# Altium PCB MiniPC.PcbDoc (part 1 of 22) (continued)
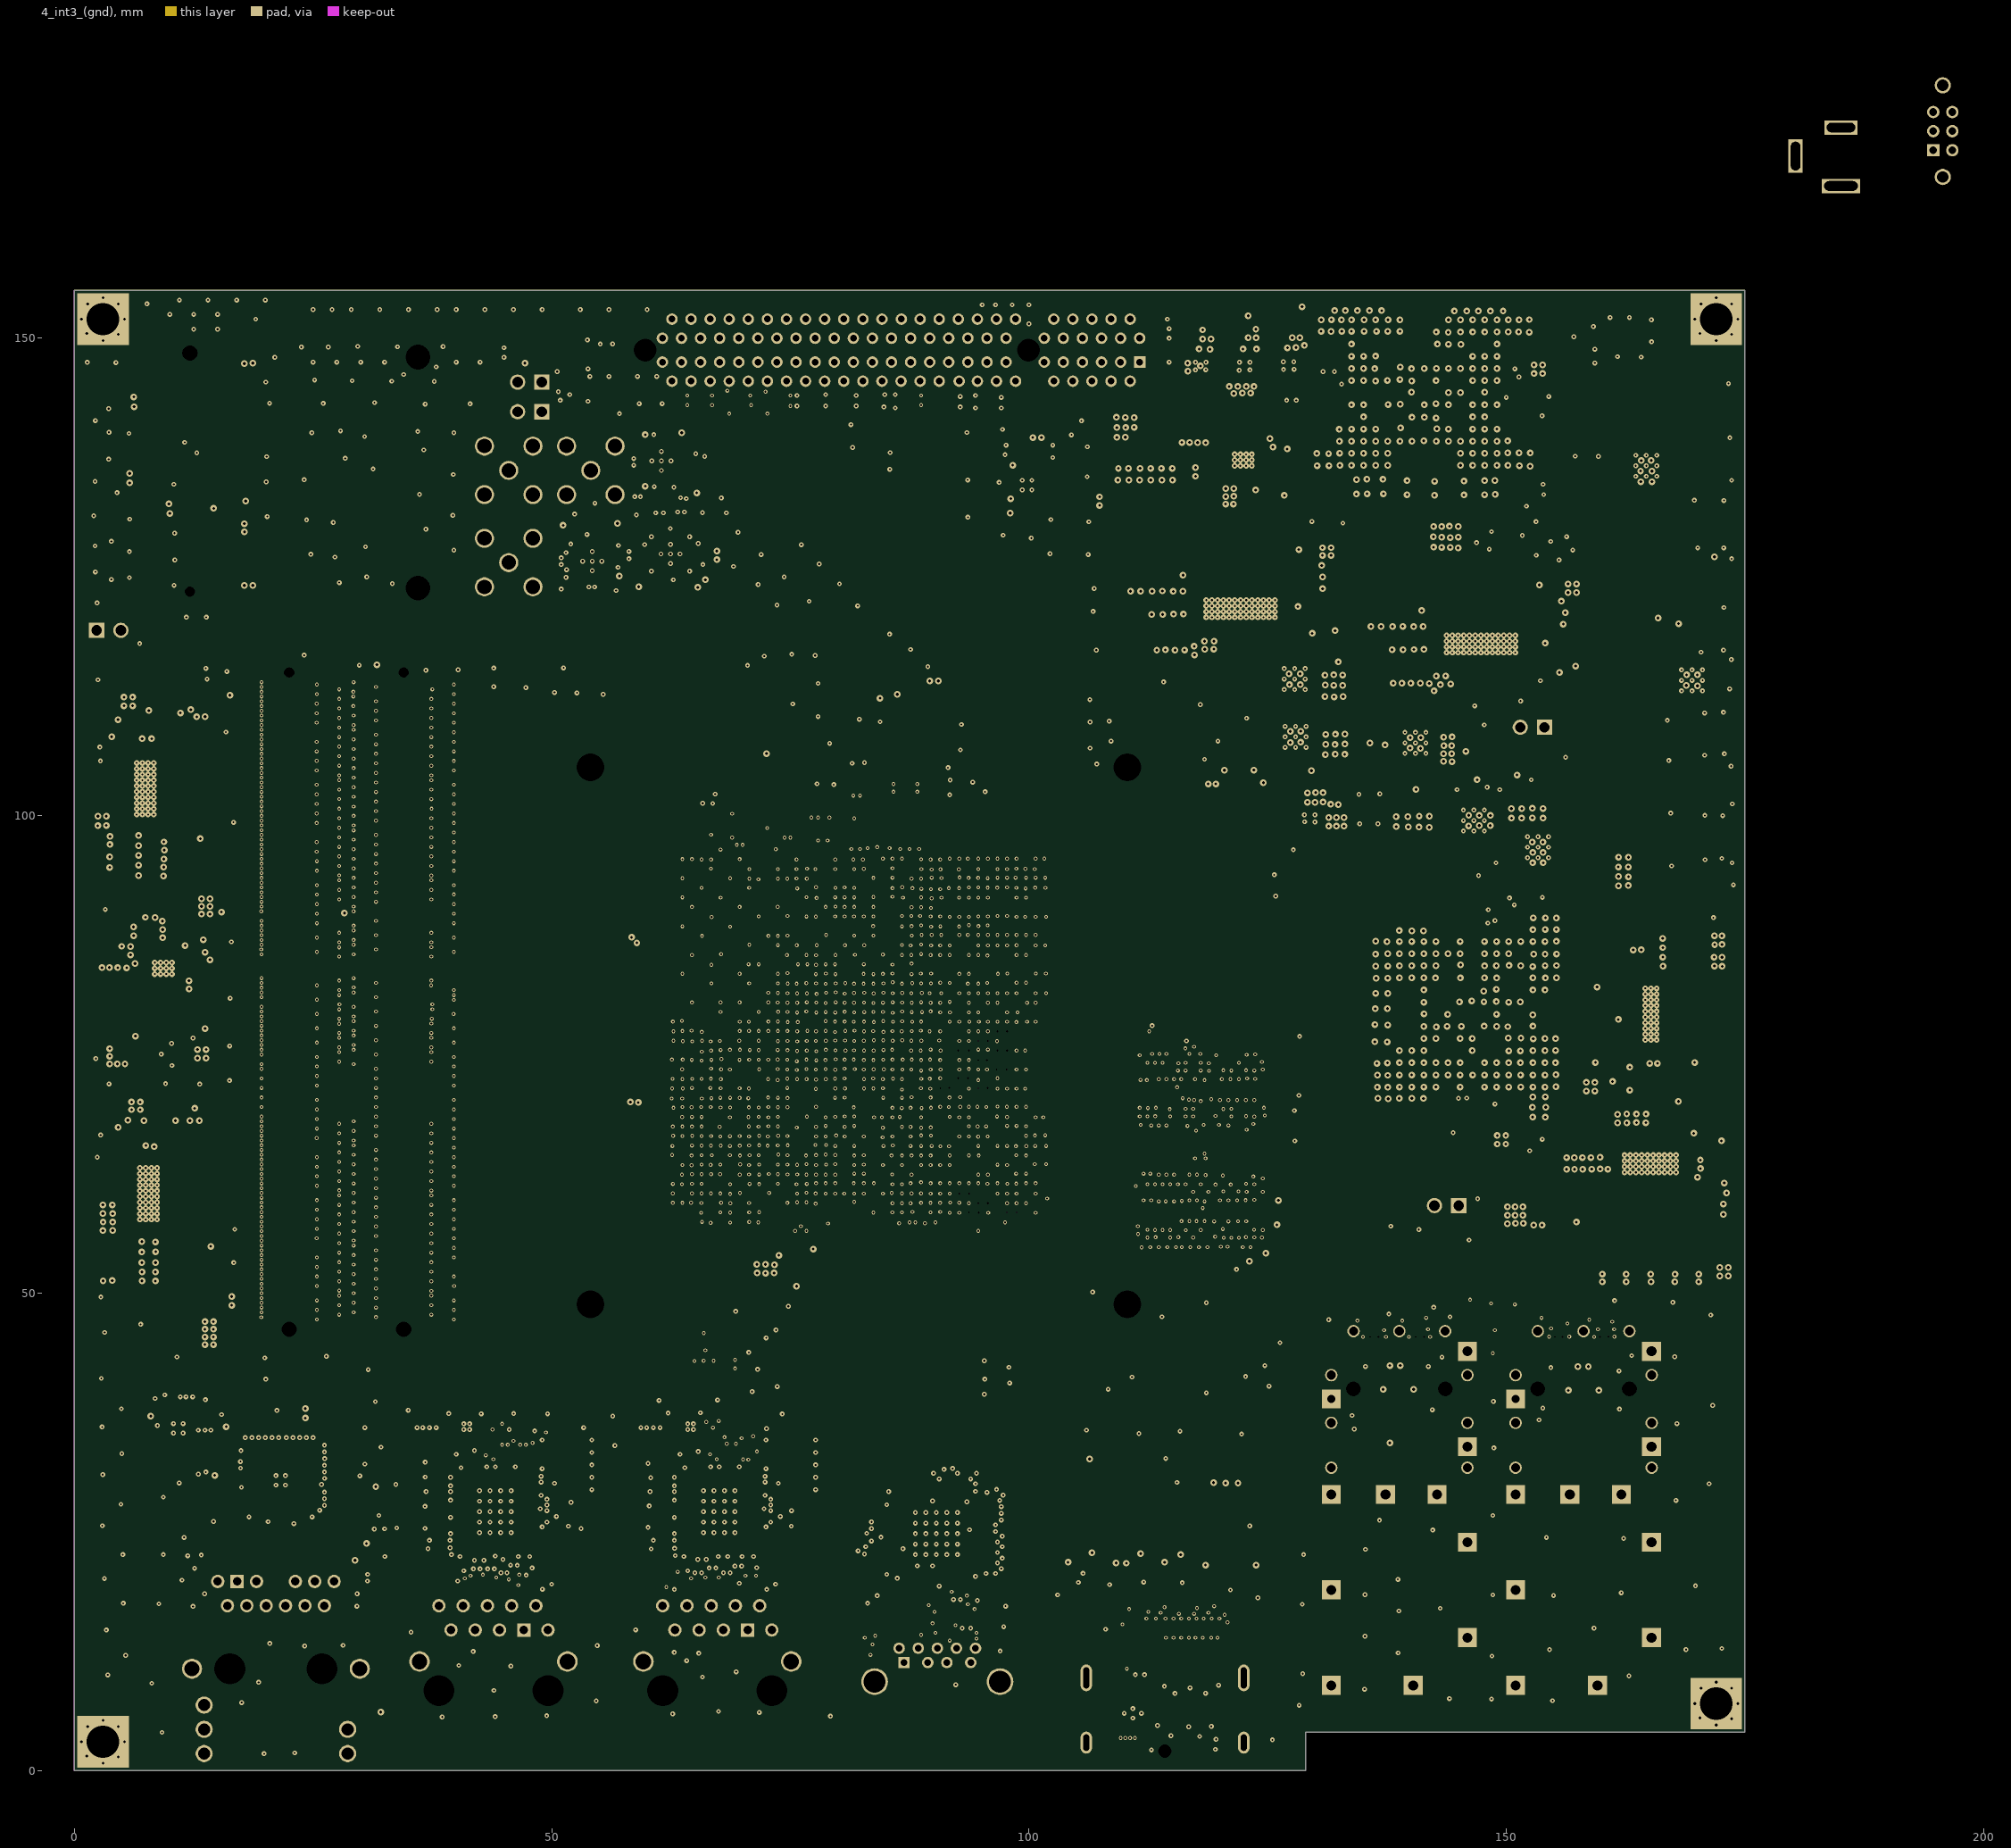
[diagram p4: 4_int3_(gnd)]
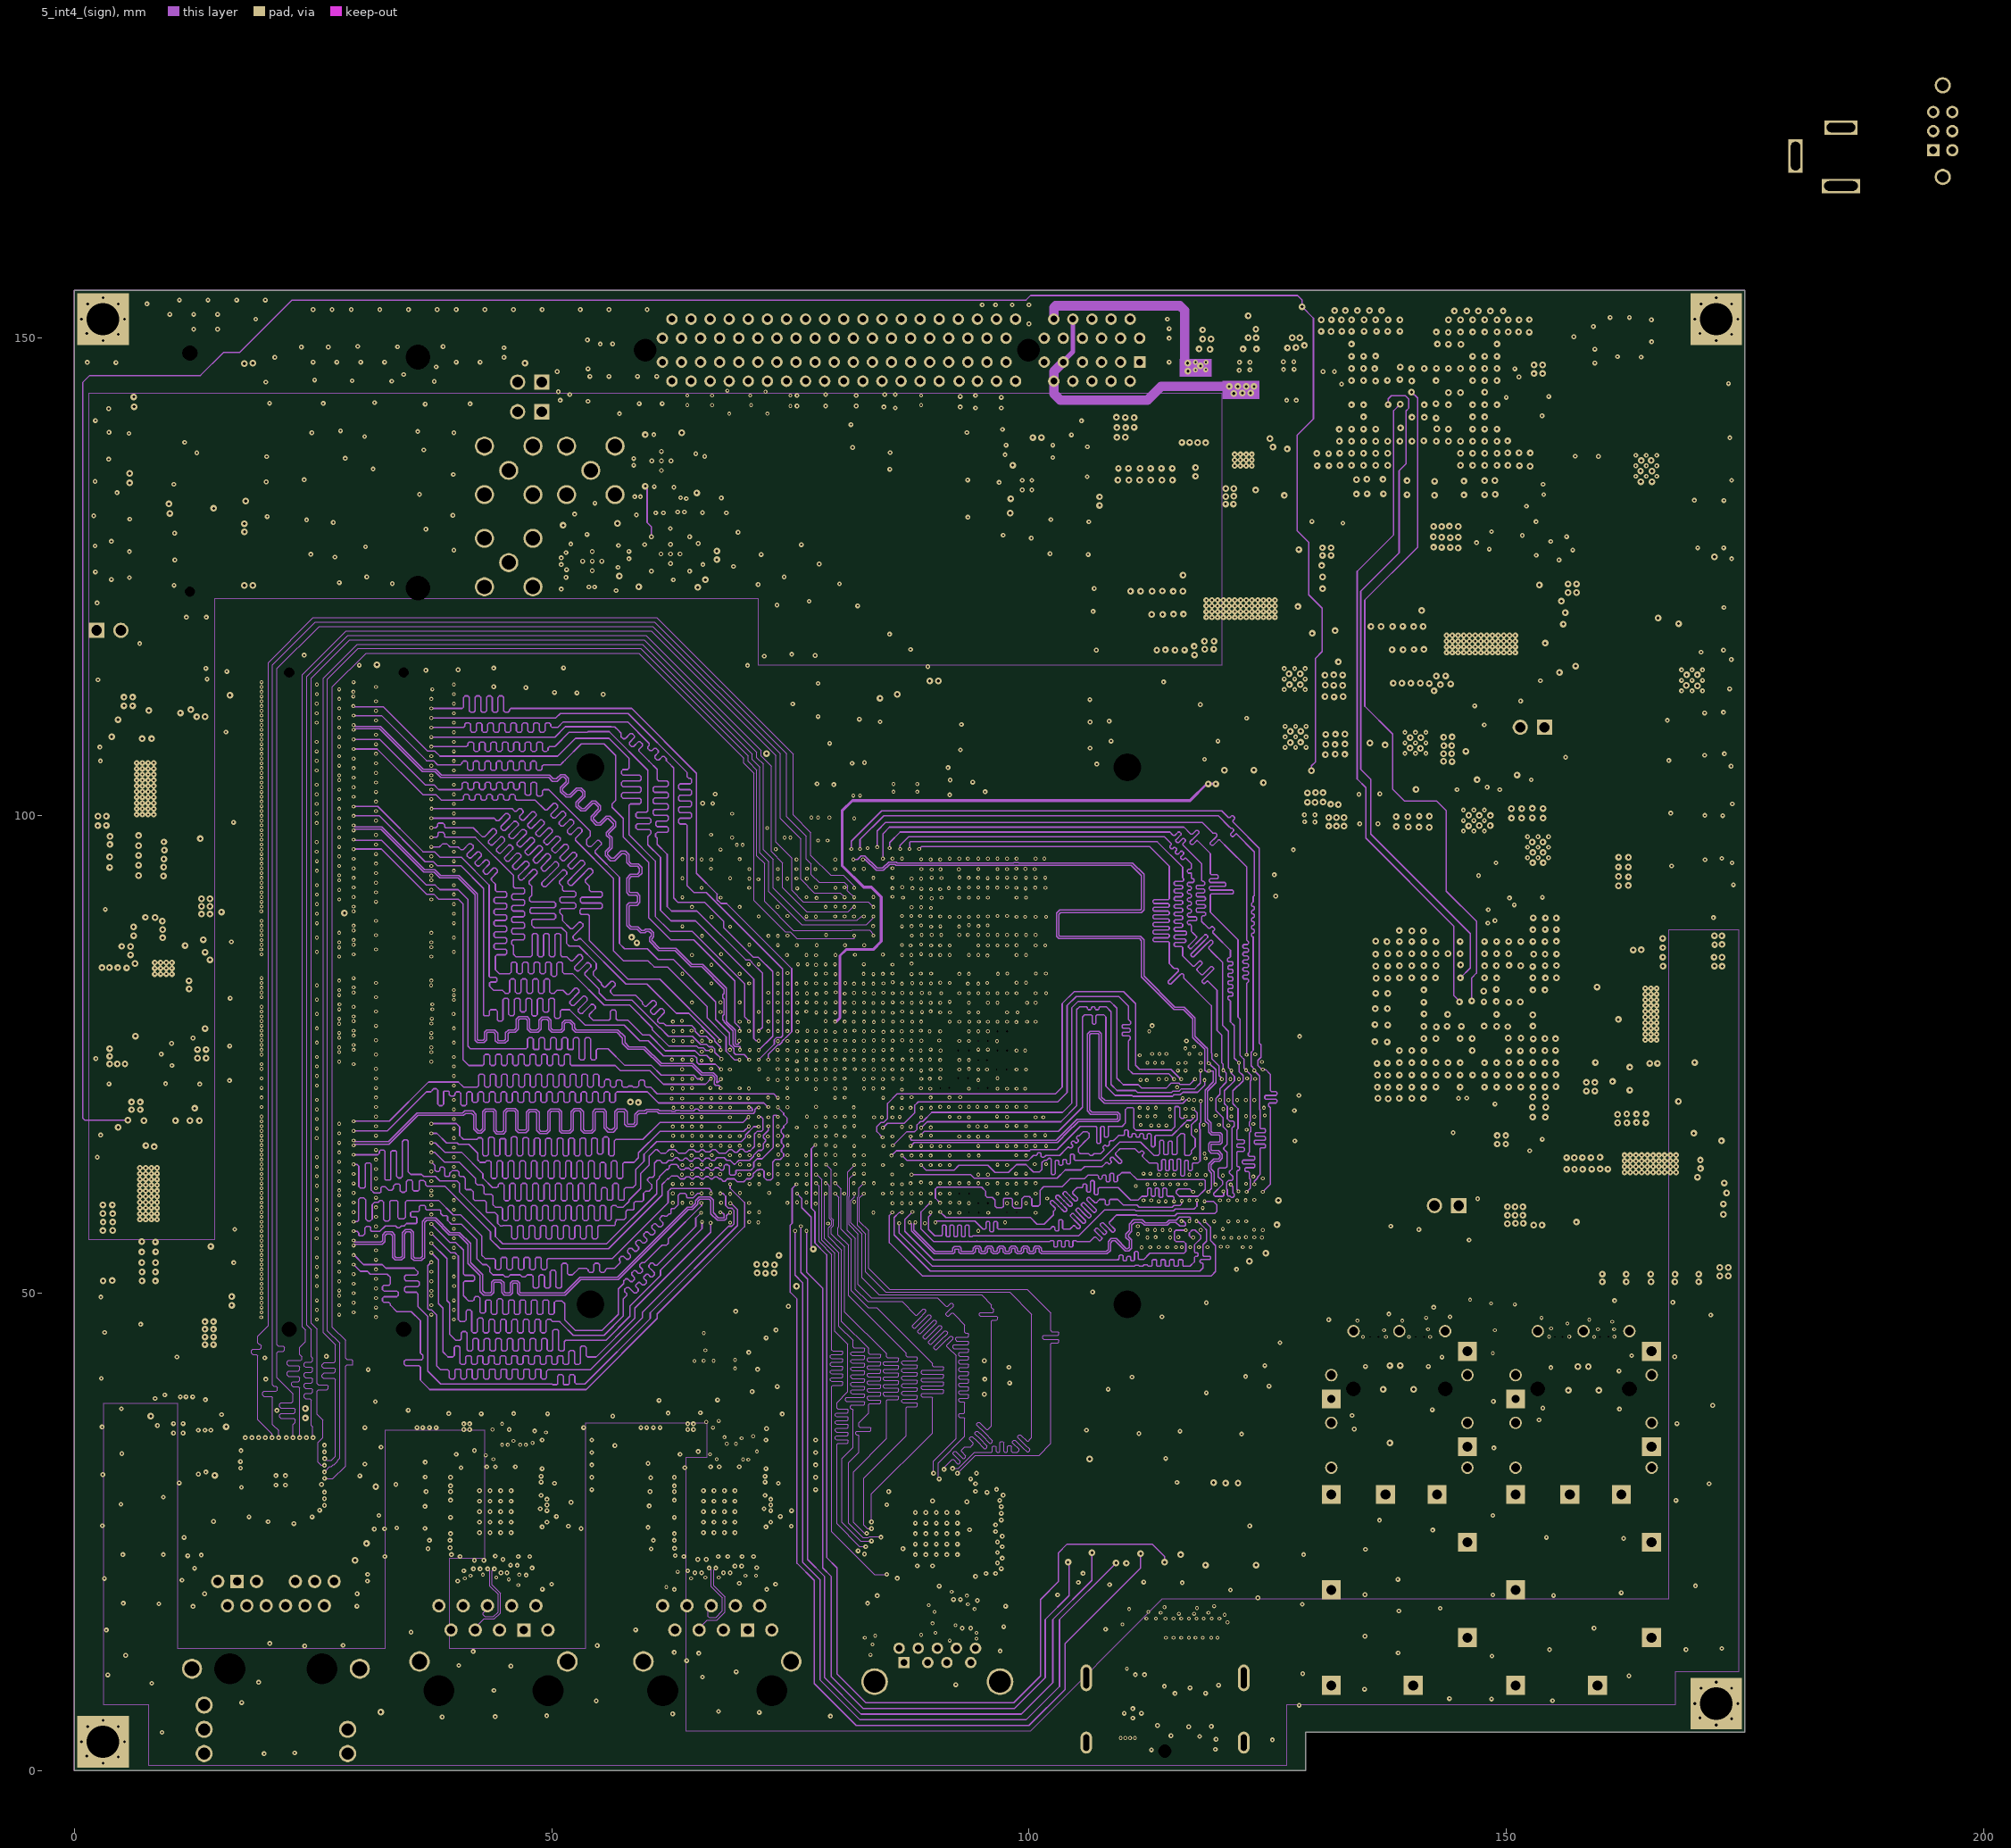
[diagram p5: 5_int4_(sign)]
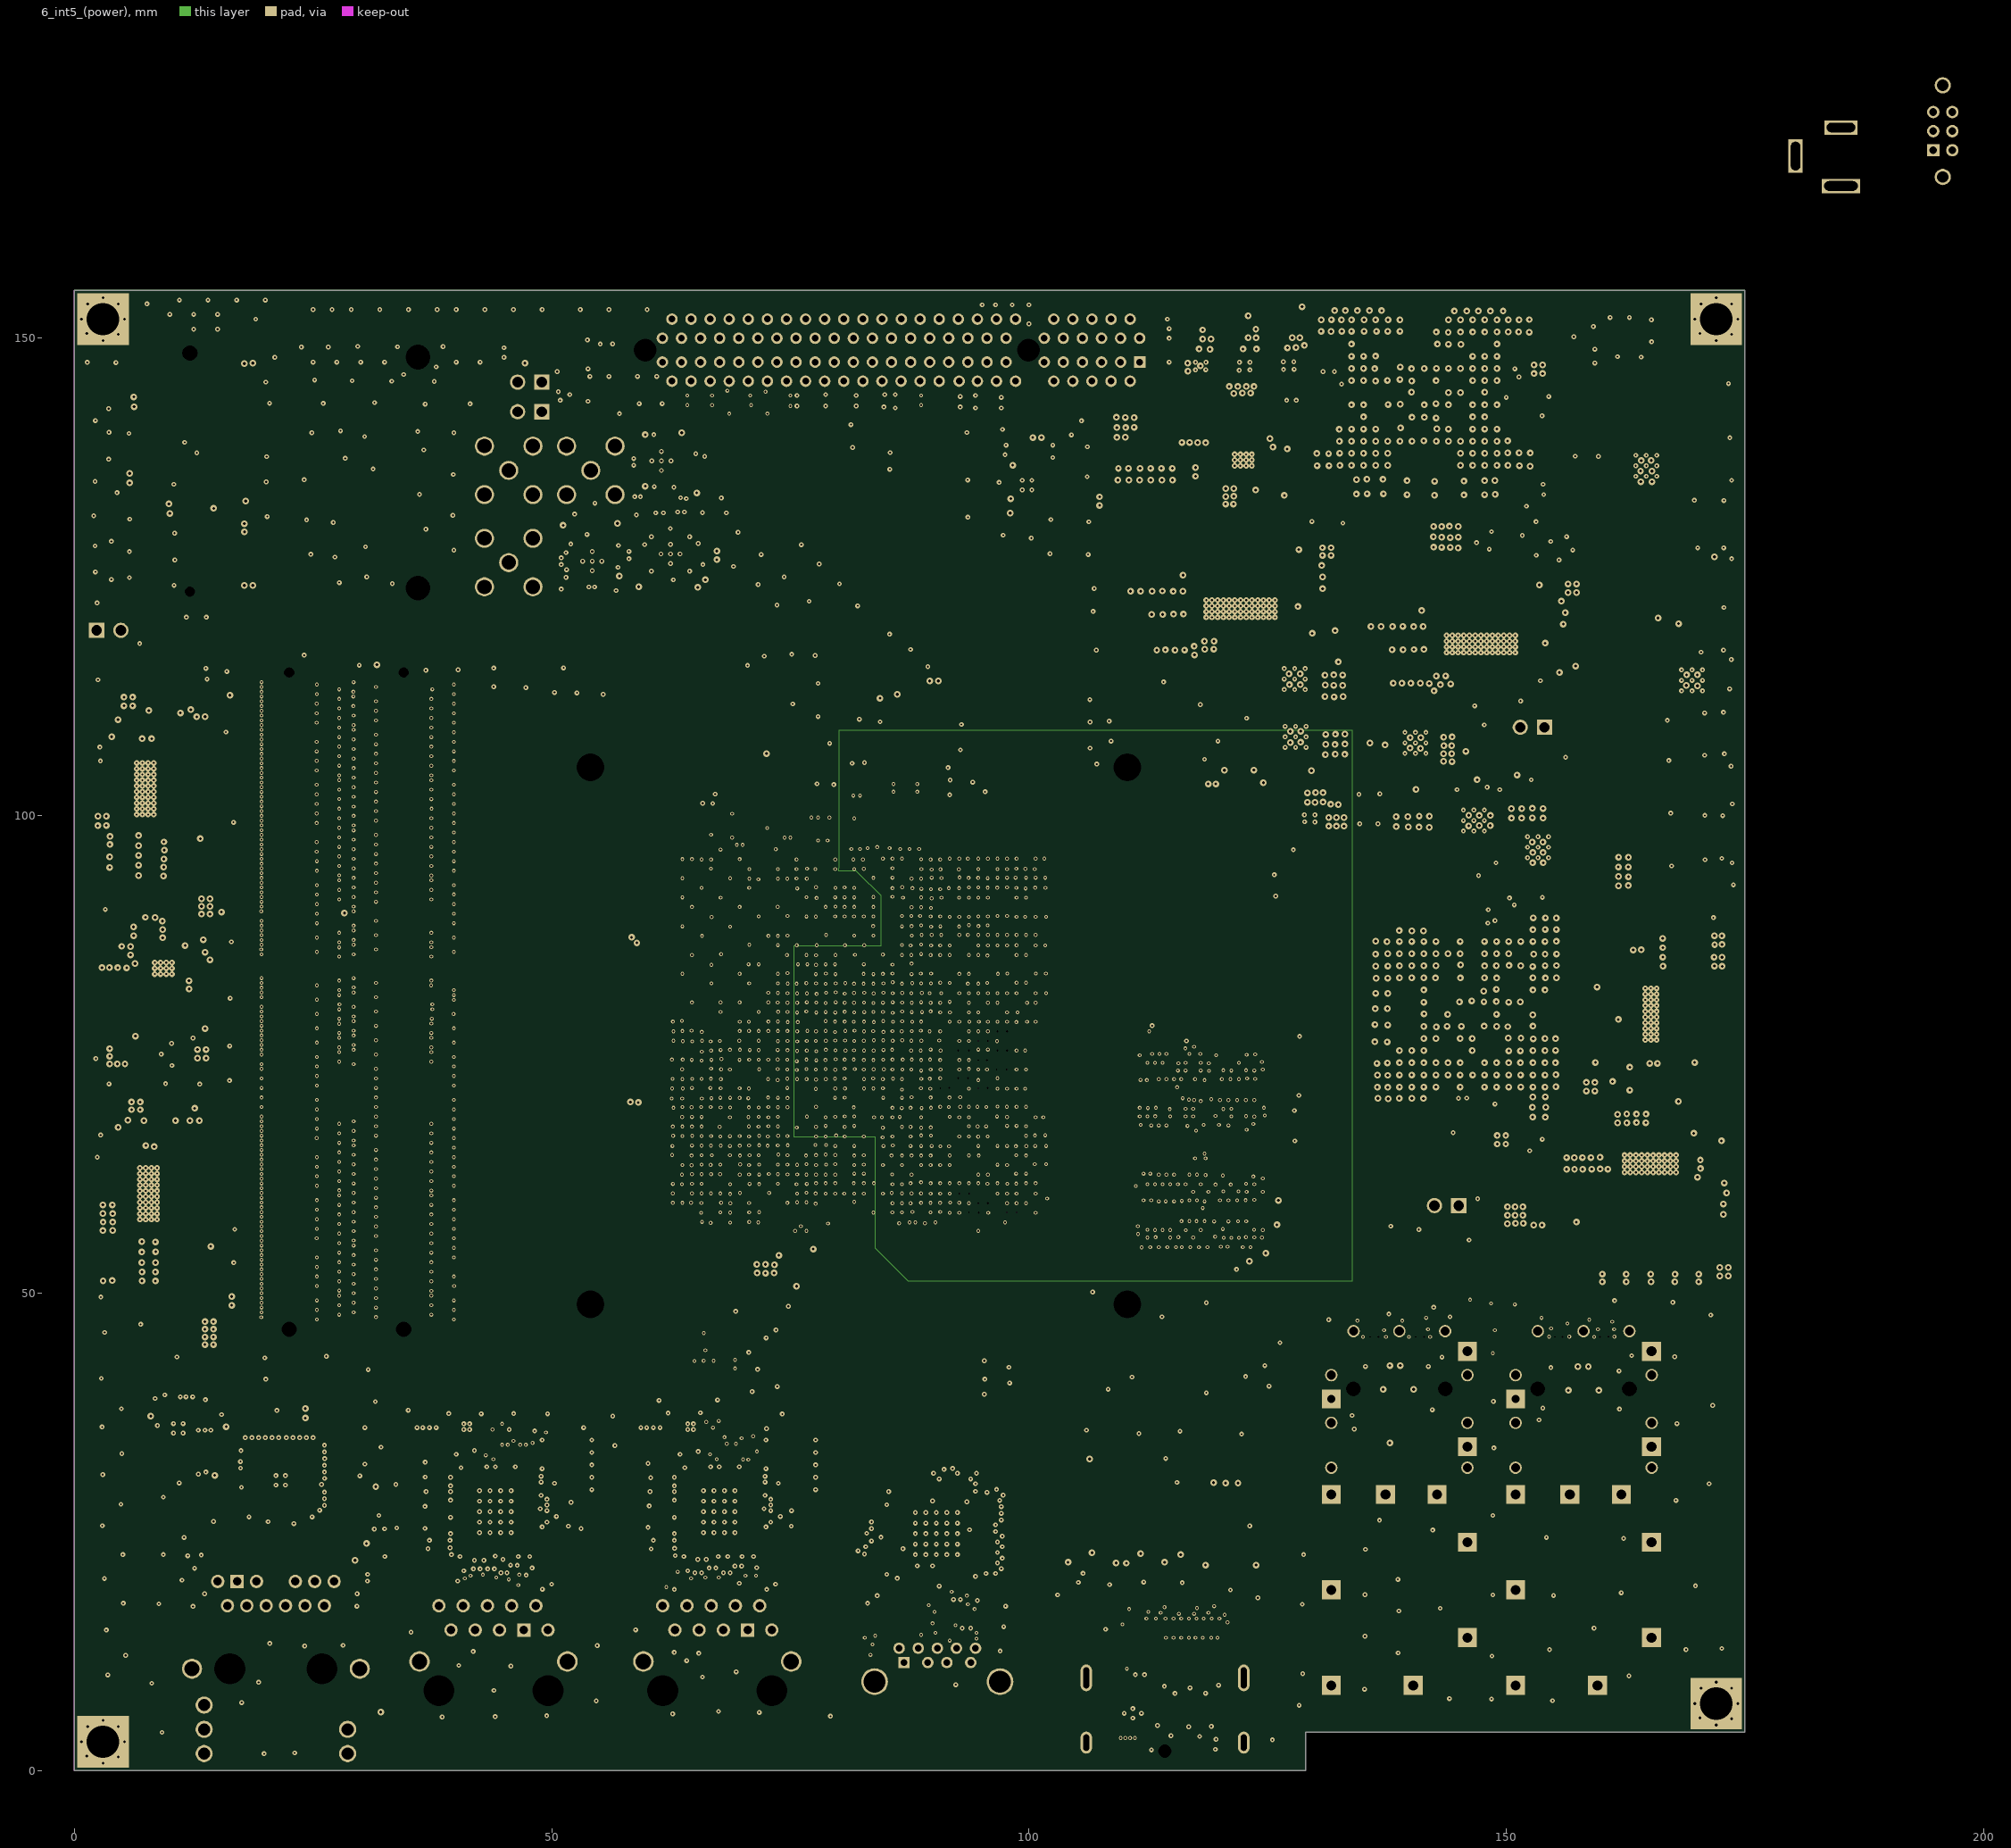
[diagram p6: 6_int5_(power)]
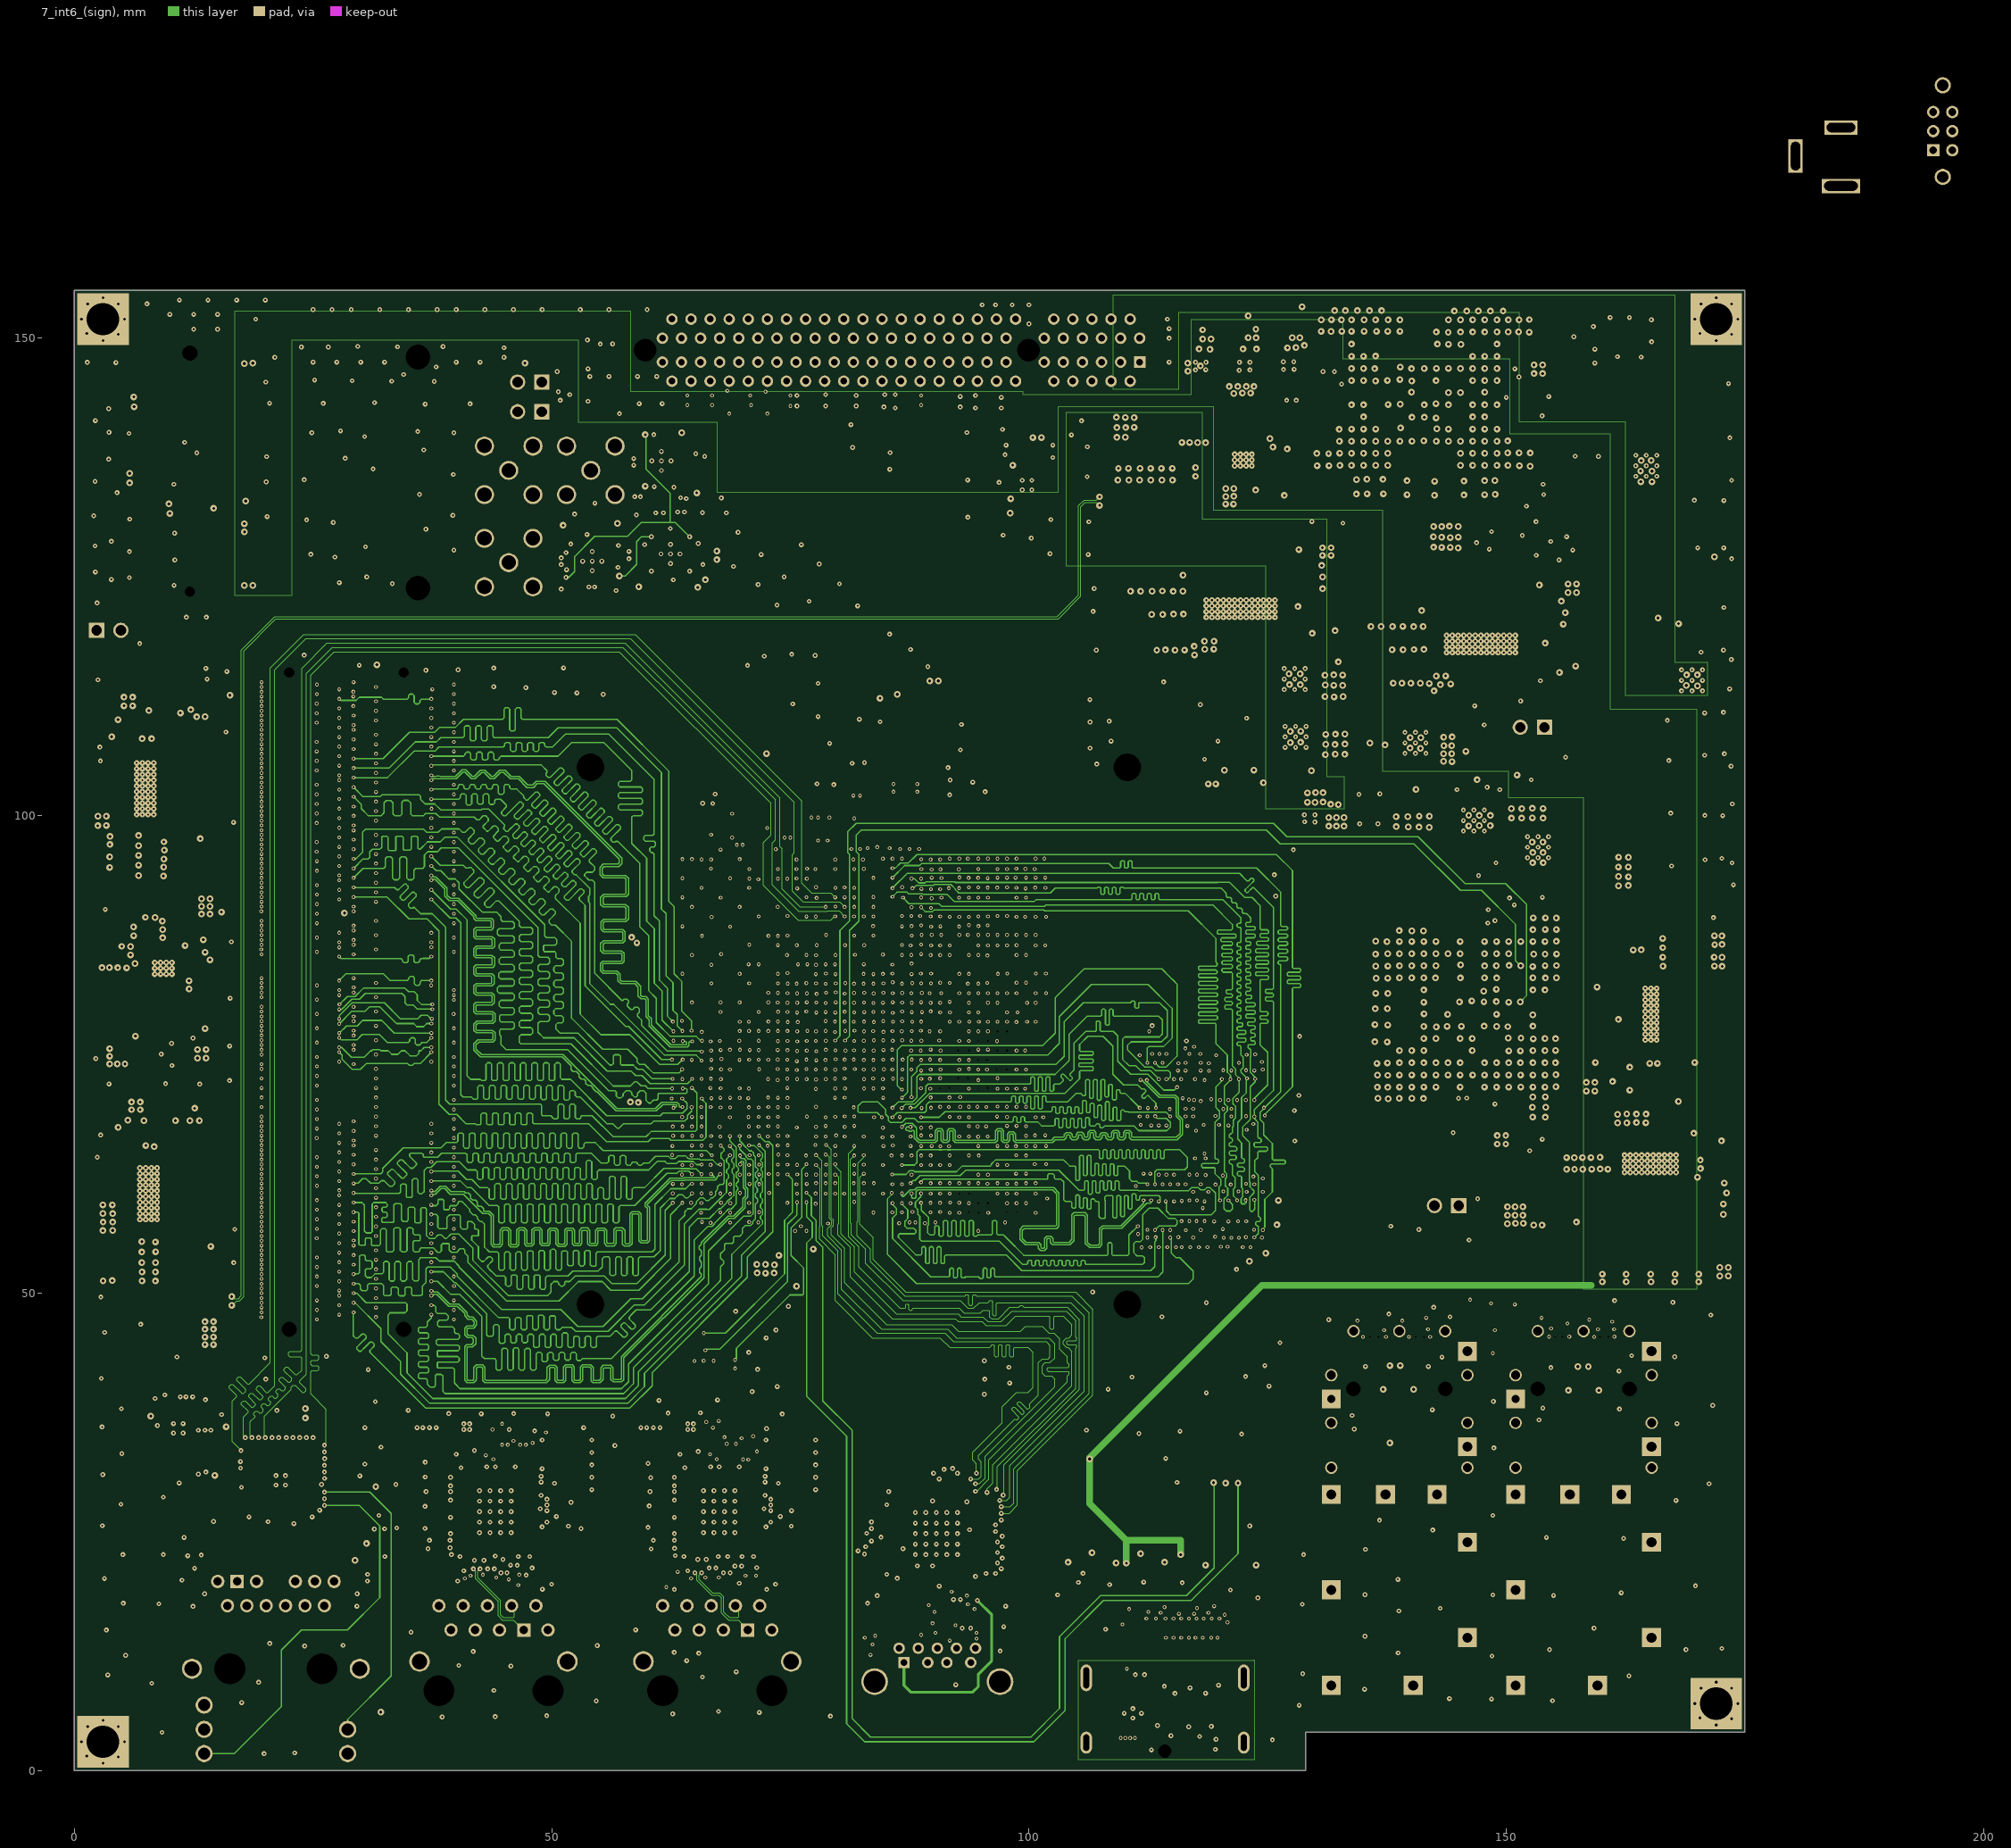
[diagram p7: 7_int6_(sign)]